# KiCad board WS2812B LED Ring7.kicad_pcb (continued)
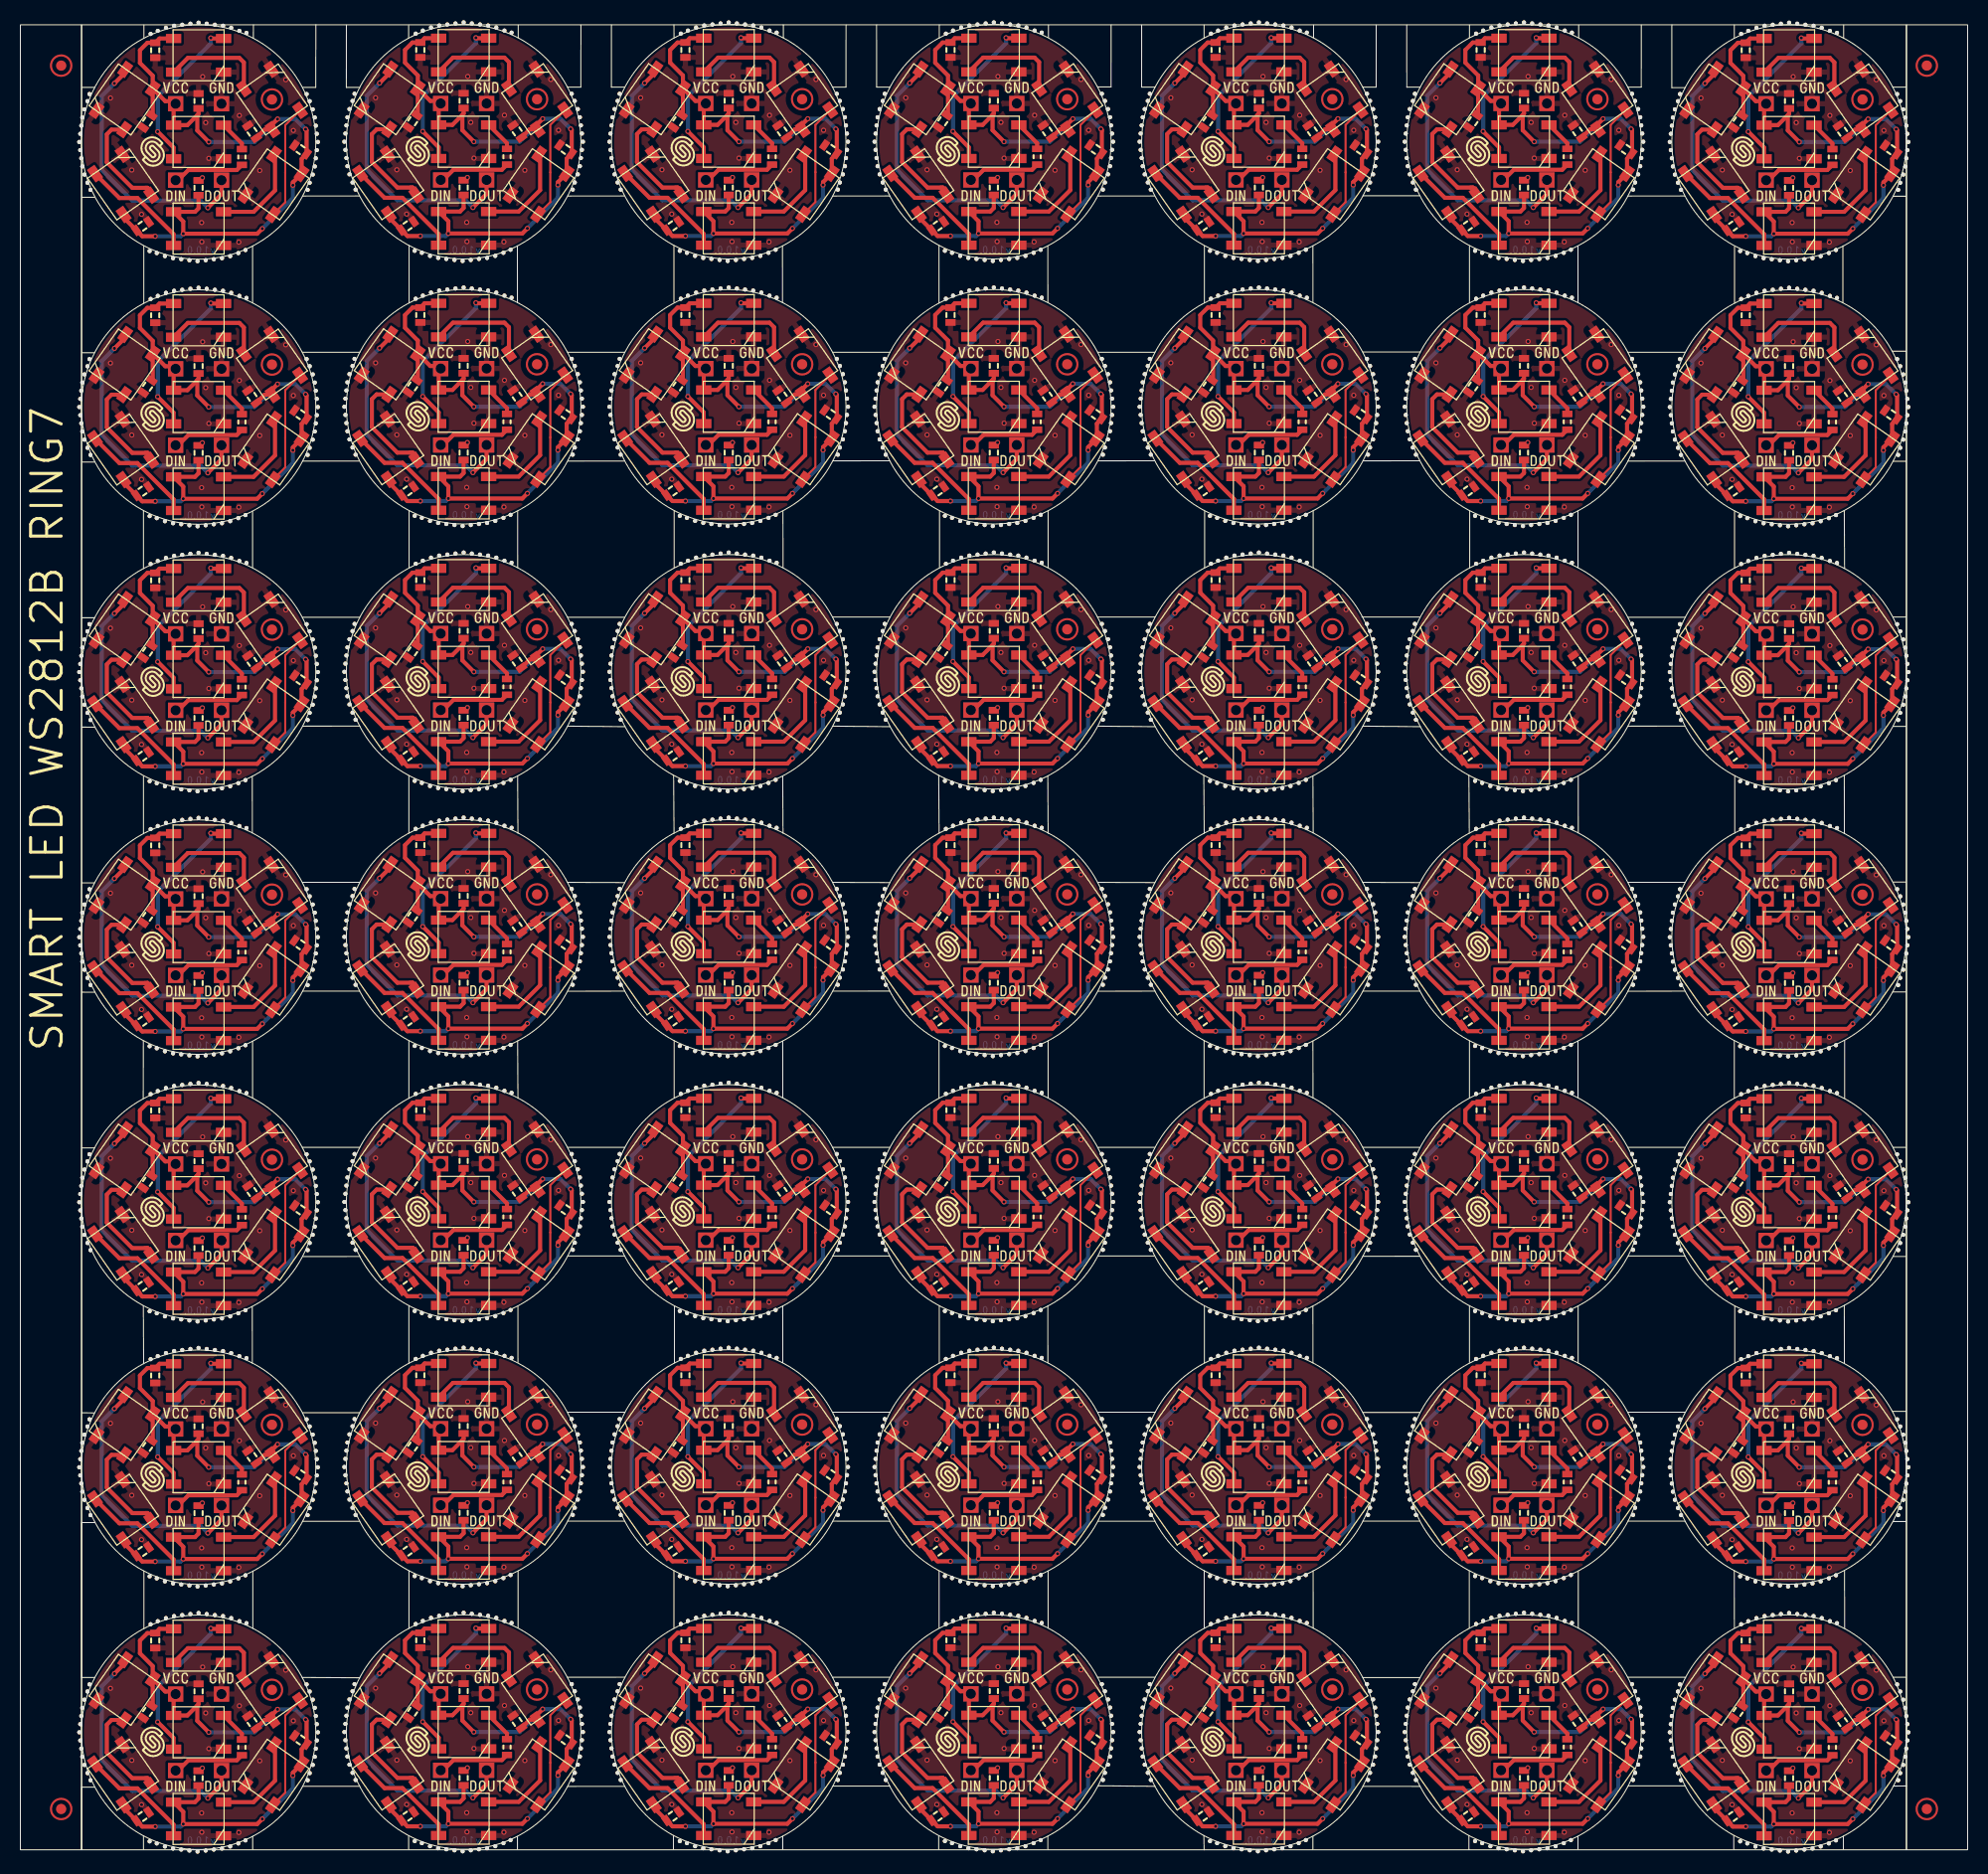
[diagram p0: board, top side]
## Placement (name value [footprint] x y rotation side) (continued)
PAD4#16  -  [PAD_2x1.5]  97.72 93.56 0 top
PAD4#17  -  [PAD_2x1.5]  97.72 145.56 0 top
PAD4#18  -  [PAD_2x1.5]  19.72 145.53 0 top
PAD4#19  -  [PAD_2x1.5]  19.72 67.53 0 top
PAD4#20  -  [PAD_2x1.5]  71.72 15.56 0 top
PAD4#21  -  [PAD_2x1.5]  123.72 171.56 0 top
PAD4#22  -  [PAD_2x1.5]  45.72 119.56 0 top
PAD4#23  -  [PAD_2x1.5]  175.72 171.53 0 top
PAD4#24  -  [PAD_2x1.5]  19.72 15.53 0 top
PAD4#25  -  [PAD_2x1.5]  123.72 41.56 0 top
PAD4#26  -  [PAD_2x1.5]  123.72 15.56 0 top
PAD4#27  -  [PAD_2x1.5]  123.72 119.56 0 top
PAD4#28  -  [PAD_2x1.5]  45.72 93.56 0 top
PAD4#29  -  [PAD_2x1.5]  45.72 15.56 0 top
PAD4#30  -  [PAD_2x1.5]  71.72 119.56 0 top
PAD4#31  -  [PAD_2x1.5]  175.72 67.53 0 top
PAD4#32  -  [PAD_2x1.5]  71.72 93.56 0 top
PAD4#33  -  [PAD_2x1.5]  175.72 145.53 0 top
PAD4#34  -  [PAD_2x1.5]  45.72 67.56 0 top
PAD4#35  -  [PAD_2x1.5]  175.72 93.53 0 top
PAD4#36  -  [PAD_2x1.5]  45.72 171.56 0 top
PAD4#37  -  [PAD_2x1.5]  175.72 119.53 0 top
PAD4#38  -  [PAD_2x1.5]  19.72 41.53 0 top
PAD4#39  -  [PAD_2x1.5]  71.72 41.56 0 top
PAD4#40  -  [PAD_2x1.5]  97.72 119.56 0 top
PAD4#41  -  [PAD_2x1.5]  45.72 145.56 0 top
PAD4#42  -  [PAD_2x1.5]  149.72 93.56 0 top
PAD4#43  -  [PAD_2x1.5]  71.72 67.56 0 top
PAD4#44  -  [PAD_2x1.5]  97.72 171.56 0 top
PAD4#45  -  [PAD_2x1.5]  149.72 41.56 0 top
PAD4#46  -  [PAD_2x1.5]  71.72 171.56 0 top
PAD4#47  -  [PAD_2x1.5]  175.72 41.53 0 top
PAD4#48  -  [PAD_2x1.5]  175.72 15.53 0 top
PAD4#49  -  [PAD_2x1.5]  19.72 93.53 0 top
PAD5  PAD_2x1.5  [PAD_2x1.5#2]  45.72 137.56 0 top
PAD5#2  PAD_2x1.5  [PAD_2x1.5#2]  175.72 33.53 0 top
PAD5#3  PAD_2x1.5  [PAD_2x1.5#2]  71.72 33.56 0 top
PAD5#4  PAD_2x1.5  [PAD_2x1.5#2]  19.72 163.53 0 top
PAD5#5  PAD_2x1.5  [PAD_2x1.5#2]  149.72 163.56 0 top
PAD5#6  PAD_2x1.5  [PAD_2x1.5#2]  123.72 59.56 0 top
PAD5#7  PAD_2x1.5  [PAD_2x1.5#2]  123.72 33.56 0 top
PAD5#8  PAD_2x1.5  [PAD_2x1.5#2]  97.72 85.56 0 top
PAD5#9  PAD_2x1.5  [PAD_2x1.5#2]  149.72 111.56 0 top
PAD5#10  PAD_2x1.5  [PAD_2x1.5#2]  97.72 59.56 0 top
PAD5#11  PAD_2x1.5  [PAD_2x1.5#2]  45.72 111.56 0 top
PAD5#12  PAD_2x1.5  [PAD_2x1.5#2]  149.72 59.56 0 top
PAD5#13  PAD_2x1.5  [PAD_2x1.5#2]  175.72 137.53 0 top
PAD5#14  PAD_2x1.5  [PAD_2x1.5#2]  149.72 33.56 0 top
PAD5#15  PAD_2x1.5  [PAD_2x1.5#2]  45.72 33.56 0 top
PAD5#16  PAD_2x1.5  [PAD_2x1.5#2]  97.72 7.56 0 top
PAD5#17  PAD_2x1.5  [PAD_2x1.5#2]  45.72 163.56 0 top
PAD5#18  PAD_2x1.5  [PAD_2x1.5#2]  123.72 163.56 0 top
PAD5#19  PAD_2x1.5  [PAD_2x1.5#2]  149.72 137.56 0 top
PAD5#20  PAD_2x1.5  [PAD_2x1.5#2]  175.72 111.53 0 top
PAD5#21  PAD_2x1.5  [PAD_2x1.5#2]  19.72 137.53 0 top
PAD5#22  PAD_2x1.5  [PAD_2x1.5#2]  19.72 85.53 0 top
PAD5#23  PAD_2x1.5  [PAD_2x1.5#2]  175.72 85.53 0 top
PAD5#24  PAD_2x1.5  [PAD_2x1.5#2]  19.72 59.53 0 top
PAD5#25  PAD_2x1.5  [PAD_2x1.5#2]  149.72 85.56 0 top
PAD5#26  PAD_2x1.5  [PAD_2x1.5#2]  97.72 33.56 0 top
PAD5#27  PAD_2x1.5  [PAD_2x1.5#2]  71.72 85.56 0 top
PAD5#28  PAD_2x1.5  [PAD_2x1.5#2]  123.72 111.56 0 top
PAD5#29  PAD_2x1.5  [PAD_2x1.5#2]  45.72 59.56 0 top
PAD5#30  PAD_2x1.5  [PAD_2x1.5#2]  45.72 7.56 0 top
PAD5#31  PAD_2x1.5  [PAD_2x1.5#2]  45.72 85.56 0 top
PAD5#32  PAD_2x1.5  [PAD_2x1.5#2]  71.72 7.56 0 top
PAD5#33  PAD_2x1.5  [PAD_2x1.5#2]  19.72 7.53 0 top
PAD5#34  PAD_2x1.5  [PAD_2x1.5#2]  175.72 7.53 0 top
PAD5#35  PAD_2x1.5  [PAD_2x1.5#2]  71.72 111.56 0 top
PAD5#36  PAD_2x1.5  [PAD_2x1.5#2]  19.72 33.53 0 top
PAD5#37  PAD_2x1.5  [PAD_2x1.5#2]  71.72 163.56 0 top
PAD5#38  PAD_2x1.5  [PAD_2x1.5#2]  97.72 137.56 0 top
PAD5#39  PAD_2x1.5  [PAD_2x1.5#2]  123.72 137.56 0 top
PAD5#40  PAD_2x1.5  [PAD_2x1.5#2]  97.72 111.56 0 top
PAD5#41  PAD_2x1.5  [PAD_2x1.5#2]  175.72 59.53 0 top
PAD5#42  PAD_2x1.5  [PAD_2x1.5#2]  175.72 163.53 0 top
PAD5#43  PAD_2x1.5  [PAD_2x1.5#2]  71.72 137.56 0 top
PAD5#44  PAD_2x1.5  [PAD_2x1.5#2]  123.72 85.56 0 top
PAD5#45  PAD_2x1.5  [PAD_2x1.5#2]  149.72 7.56 0 top
PAD5#46  PAD_2x1.5  [PAD_2x1.5#2]  71.72 59.56 0 top
PAD5#47  PAD_2x1.5  [PAD_2x1.5#2]  123.72 7.56 0 top
PAD5#48  PAD_2x1.5  [PAD_2x1.5#2]  19.72 111.53 0 top
PAD5#49  PAD_2x1.5  [PAD_2x1.5#2]  97.72 163.56 0 top
PAD6  -  [PAD_2x1.5]  171.22 67.53 180 bottom
PAD6#2  -  [PAD_2x1.5]  93.22 15.56 180 bottom
PAD6#3  -  [PAD_2x1.5]  171.22 15.53 180 bottom
PAD6#4  -  [PAD_2x1.5]  119.22 119.56 180 bottom
PAD6#5  -  [PAD_2x1.5]  119.22 41.56 180 bottom
PAD6#6  -  [PAD_2x1.5]  145.22 171.56 180 bottom
PAD6#7  -  [PAD_2x1.5]  67.22 119.56 180 bottom
PAD6#8  -  [PAD_2x1.5]  15.22 93.53 180 bottom
PAD6#9  -  [PAD_2x1.5]  93.22 67.56 180 bottom
PAD6#10  -  [PAD_2x1.5]  119.22 93.56 180 bottom
PAD6#11  -  [PAD_2x1.5]  145.22 15.56 180 bottom
PAD6#12  -  [PAD_2x1.5]  41.22 93.56 180 bottom
PAD6#13  -  [PAD_2x1.5]  145.22 119.56 180 bottom
PAD6#14  -  [PAD_2x1.5]  93.22 93.56 180 bottom
PAD6#15  -  [PAD_2x1.5]  67.22 145.56 180 bottom
PAD6#16  -  [PAD_2x1.5]  67.22 93.56 180 bottom
PAD6#17  -  [PAD_2x1.5]  41.22 41.56 180 bottom
PAD6#18  -  [PAD_2x1.5]  171.22 171.53 180 bottom
PAD6#19  -  [PAD_2x1.5]  15.22 41.53 180 bottom
PAD6#20  -  [PAD_2x1.5]  93.22 41.56 180 bottom
PAD6#21  -  [PAD_2x1.5]  145.22 145.56 180 bottom
PAD6#22  -  [PAD_2x1.5]  171.22 93.53 180 bottom
PAD6#23  -  [PAD_2x1.5]  15.22 67.53 180 bottom
PAD6#24  -  [PAD_2x1.5]  41.22 15.56 180 bottom
PAD6#25  -  [PAD_2x1.5]  145.22 41.56 180 bottom
PAD6#26  -  [PAD_2x1.5]  15.22 171.53 180 bottom
PAD6#27  -  [PAD_2x1.5]  41.22 119.56 180 bottom
PAD6#28  -  [PAD_2x1.5]  67.22 41.56 180 bottom
PAD6#29  -  [PAD_2x1.5]  93.22 171.56 180 bottom
PAD6#30  -  [PAD_2x1.5]  145.22 93.56 180 bottom
PAD6#31  -  [PAD_2x1.5]  119.22 15.56 180 bottom
PAD6#32  -  [PAD_2x1.5]  171.22 145.53 180 bottom
PAD6#33  -  [PAD_2x1.5]  41.22 145.56 180 bottom
PAD6#34  -  [PAD_2x1.5]  93.22 145.56 180 bottom
PAD6#35  -  [PAD_2x1.5]  171.22 41.53 180 bottom
PAD6#36  -  [PAD_2x1.5]  145.22 67.56 180 bottom
PAD6#37  -  [PAD_2x1.5]  41.22 67.56 180 bottom
PAD6#38  -  [PAD_2x1.5]  119.22 67.56 180 bottom
PAD6#39  -  [PAD_2x1.5]  119.22 145.56 180 bottom
PAD6#40  -  [PAD_2x1.5]  15.22 15.53 180 bottom
PAD6#41  -  [PAD_2x1.5]  171.22 119.53 180 bottom
PAD6#42  -  [PAD_2x1.5]  67.22 171.56 180 bottom
PAD6#43  -  [PAD_2x1.5]  119.22 171.56 180 bottom
PAD6#44  -  [PAD_2x1.5]  15.22 119.53 180 bottom
PAD6#45  -  [PAD_2x1.5]  67.22 67.56 180 bottom
PAD6#46  -  [PAD_2x1.5]  41.22 171.56 180 bottom
PAD6#47  -  [PAD_2x1.5]  67.22 15.56 180 bottom
PAD6#48  -  [PAD_2x1.5]  93.22 119.56 180 bottom
PAD6#49  -  [PAD_2x1.5]  15.22 145.53 180 bottom
PAD7  PAD_2x1.5  [PAD_2x1.5#3]  119.22 137.81 180 bottom
PAD7#2  PAD_2x1.5  [PAD_2x1.5#3]  41.22 85.81 180 bottom
PAD7#3  PAD_2x1.5  [PAD_2x1.5#3]  171.22 33.78 180 bottom
PAD7#4  PAD_2x1.5  [PAD_2x1.5#3]  67.22 111.81 180 bottom
PAD7#5  PAD_2x1.5  [PAD_2x1.5#3]  119.22 85.81 180 bottom
PAD7#6  PAD_2x1.5  [PAD_2x1.5#3]  145.22 85.81 180 bottom
PAD7#7  PAD_2x1.5  [PAD_2x1.5#3]  67.22 163.81 180 bottom
PAD7#8  PAD_2x1.5  [PAD_2x1.5#3]  119.22 33.81 180 bottom
PAD7#9  PAD_2x1.5  [PAD_2x1.5#3]  15.22 33.78 180 bottom
PAD7#10  PAD_2x1.5  [PAD_2x1.5#3]  41.22 59.81 180 bottom
PAD7#11  PAD_2x1.5  [PAD_2x1.5#3]  119.22 163.81 180 bottom
PAD7#12  PAD_2x1.5  [PAD_2x1.5#3]  93.22 85.81 180 bottom
PAD7#13  PAD_2x1.5  [PAD_2x1.5#3]  93.22 111.81 180 bottom
PAD7#14  PAD_2x1.5  [PAD_2x1.5#3]  15.22 7.78 180 bottom
PAD7#15  PAD_2x1.5  [PAD_2x1.5#3]  15.22 137.78 180 bottom
PAD7#16  PAD_2x1.5  [PAD_2x1.5#3]  41.22 7.81 180 bottom
PAD7#17  PAD_2x1.5  [PAD_2x1.5#3]  93.22 163.81 180 bottom
PAD7#18  PAD_2x1.5  [PAD_2x1.5#3]  67.22 137.81 180 bottom
PAD7#19  PAD_2x1.5  [PAD_2x1.5#3]  15.22 111.78 180 bottom
PAD7#20  PAD_2x1.5  [PAD_2x1.5#3]  119.22 59.81 180 bottom
PAD7#21  PAD_2x1.5  [PAD_2x1.5#3]  93.22 137.81 180 bottom
PAD7#22  PAD_2x1.5  [PAD_2x1.5#3]  15.22 59.78 180 bottom
PAD7#23  PAD_2x1.5  [PAD_2x1.5#3]  41.22 137.81 180 bottom
PAD7#24  PAD_2x1.5  [PAD_2x1.5#3]  171.22 163.78 180 bottom
PAD7#25  PAD_2x1.5  [PAD_2x1.5#3]  119.22 111.81 180 bottom
PAD7#26  PAD_2x1.5  [PAD_2x1.5#3]  171.22 59.78 180 bottom
PAD7#27  PAD_2x1.5  [PAD_2x1.5#3]  145.22 111.81 180 bottom
PAD7#28  PAD_2x1.5  [PAD_2x1.5#3]  171.22 85.78 180 bottom
PAD7#29  PAD_2x1.5  [PAD_2x1.5#3]  145.22 7.81 180 bottom
PAD7#30  PAD_2x1.5  [PAD_2x1.5#3]  145.22 137.81 180 bottom
PAD7#31  PAD_2x1.5  [PAD_2x1.5#3]  41.22 163.81 180 bottom
PAD7#32  PAD_2x1.5  [PAD_2x1.5#3]  171.22 137.78 180 bottom
PAD7#33  PAD_2x1.5  [PAD_2x1.5#3]  15.22 85.78 180 bottom
PAD7#34  PAD_2x1.5  [PAD_2x1.5#3]  67.22 59.81 180 bottom
PAD7#35  PAD_2x1.5  [PAD_2x1.5#3]  119.22 7.81 180 bottom
PAD7#36  PAD_2x1.5  [PAD_2x1.5#3]  67.22 33.81 180 bottom
PAD7#37  PAD_2x1.5  [PAD_2x1.5#3]  41.22 33.81 180 bottom
PAD7#38  PAD_2x1.5  [PAD_2x1.5#3]  93.22 7.81 180 bottom
PAD7#39  PAD_2x1.5  [PAD_2x1.5#3]  93.22 33.81 180 bottom
PAD7#40  PAD_2x1.5  [PAD_2x1.5#3]  171.22 111.78 180 bottom
PAD7#41  PAD_2x1.5  [PAD_2x1.5#3]  145.22 33.81 180 bottom
PAD7#42  PAD_2x1.5  [PAD_2x1.5#3]  41.22 111.81 180 bottom
PAD7#43  PAD_2x1.5  [PAD_2x1.5#3]  67.22 7.81 180 bottom
PAD7#44  PAD_2x1.5  [PAD_2x1.5#3]  93.22 59.81 180 bottom
PAD7#45  PAD_2x1.5  [PAD_2x1.5#3]  67.22 85.81 180 bottom
PAD7#46  PAD_2x1.5  [PAD_2x1.5#3]  145.22 59.81 180 bottom
PAD7#47  PAD_2x1.5  [PAD_2x1.5#3]  171.22 7.78 180 bottom
PAD7#48  PAD_2x1.5  [PAD_2x1.5#3]  145.22 163.81 180 bottom
PAD7#49  PAD_2x1.5  [PAD_2x1.5#3]  15.22 163.78 180 bottom
PAD8  PAD_2x1.5  [PAD_2x1.5#2]  97.72 85.56 180 bottom
PAD8#2  PAD_2x1.5  [PAD_2x1.5#2]  149.72 111.56 180 bottom
PAD8#3  PAD_2x1.5  [PAD_2x1.5#2]  175.72 137.53 180 bottom
PAD8#4  PAD_2x1.5  [PAD_2x1.5#2]  123.72 33.56 180 bottom
PAD8#5  PAD_2x1.5  [PAD_2x1.5#2]  123.72 137.56 180 bottom
PAD8#6  PAD_2x1.5  [PAD_2x1.5#2]  123.72 7.56 180 bottom
PAD8#7  PAD_2x1.5  [PAD_2x1.5#2]  19.72 111.53 180 bottom
PAD8#8  PAD_2x1.5  [PAD_2x1.5#2]  19.72 163.53 180 bottom
PAD8#9  PAD_2x1.5  [PAD_2x1.5#2]  71.72 111.56 180 bottom
PAD8#10  PAD_2x1.5  [PAD_2x1.5#2]  149.72 33.56 180 bottom
PAD8#11  PAD_2x1.5  [PAD_2x1.5#2]  149.72 163.56 180 bottom
PAD8#12  PAD_2x1.5  [PAD_2x1.5#2]  149.72 85.56 180 bottom
PAD8#13  PAD_2x1.5  [PAD_2x1.5#2]  19.72 7.53 180 bottom
PAD8#14  PAD_2x1.5  [PAD_2x1.5#2]  97.72 59.56 180 bottom
PAD8#15  PAD_2x1.5  [PAD_2x1.5#2]  97.72 163.56 180 bottom
PAD8#16  PAD_2x1.5  [PAD_2x1.5#2]  149.72 59.56 180 bottom
PAD8#17  PAD_2x1.5  [PAD_2x1.5#2]  123.72 111.56 180 bottom
PAD8#18  PAD_2x1.5  [PAD_2x1.5#2]  97.72 33.56 180 bottom
PAD8#19  PAD_2x1.5  [PAD_2x1.5#2]  175.72 111.53 180 bottom
PAD8#20  PAD_2x1.5  [PAD_2x1.5#2]  19.72 85.53 180 bottom
PAD8#21  PAD_2x1.5  [PAD_2x1.5#2]  71.72 137.56 180 bottom
PAD8#22  PAD_2x1.5  [PAD_2x1.5#2]  175.72 33.53 180 bottom
PAD8#23  PAD_2x1.5  [PAD_2x1.5#2]  45.72 7.56 180 bottom
PAD8#24  PAD_2x1.5  [PAD_2x1.5#2]  71.72 59.56 180 bottom
PAD8#25  PAD_2x1.5  [PAD_2x1.5#2]  45.72 111.56 180 bottom
PAD8#26  PAD_2x1.5  [PAD_2x1.5#2]  19.72 33.53 180 bottom
PAD8#27  PAD_2x1.5  [PAD_2x1.5#2]  97.72 7.56 180 bottom
PAD8#28  PAD_2x1.5  [PAD_2x1.5#2]  175.72 85.53 180 bottom
PAD8#29  PAD_2x1.5  [PAD_2x1.5#2]  123.72 85.56 180 bottom
PAD8#30  PAD_2x1.5  [PAD_2x1.5#2]  45.72 59.56 180 bottom
PAD8#31  PAD_2x1.5  [PAD_2x1.5#2]  45.72 33.56 180 bottom
PAD8#32  PAD_2x1.5  [PAD_2x1.5#2]  45.72 137.56 180 bottom
PAD8#33  PAD_2x1.5  [PAD_2x1.5#2]  71.72 7.56 180 bottom
PAD8#34  PAD_2x1.5  [PAD_2x1.5#2]  19.72 59.53 180 bottom
PAD8#35  PAD_2x1.5  [PAD_2x1.5#2]  97.72 111.56 180 bottom
PAD8#36  PAD_2x1.5  [PAD_2x1.5#2]  175.72 59.53 180 bottom
PAD8#37  PAD_2x1.5  [PAD_2x1.5#2]  149.72 137.56 180 bottom
PAD8#38  PAD_2x1.5  [PAD_2x1.5#2]  175.72 7.53 180 bottom
PAD8#39  PAD_2x1.5  [PAD_2x1.5#2]  71.72 163.56 180 bottom
PAD8#40  PAD_2x1.5  [PAD_2x1.5#2]  123.72 163.56 180 bottom
PAD8#41  PAD_2x1.5  [PAD_2x1.5#2]  149.72 7.56 180 bottom
PAD8#42  PAD_2x1.5  [PAD_2x1.5#2]  71.72 33.56 180 bottom
PAD8#43  PAD_2x1.5  [PAD_2x1.5#2]  45.72 163.56 180 bottom
PAD8#44  PAD_2x1.5  [PAD_2x1.5#2]  175.72 163.53 180 bottom
PAD8#45  PAD_2x1.5  [PAD_2x1.5#2]  97.72 137.56 180 bottom
PAD8#46  PAD_2x1.5  [PAD_2x1.5#2]  123.72 59.56 180 bottom
PAD8#47  PAD_2x1.5  [PAD_2x1.5#2]  19.72 137.53 180 bottom
PAD8#48  PAD_2x1.5  [PAD_2x1.5#2]  71.72 85.56 180 bottom
PAD8#49  PAD_2x1.5  [PAD_2x1.5#2]  45.72 85.56 180 bottom
R1  100  [0603R]  99.72 36.08 270 top
R1#2  100  [0603R]  125.72 62.08 270 top
R1#3  100  [0603R]  73.72 114.08 270 top
R1#4  100  [0603R]  47.72 36.08 270 top
R1#5  100  [0603R]  21.72 88.06 270 top
R1#6  100  [0603R]  73.72 88.08 270 top
R1#7  100  [0603R]  21.72 62.06 270 top
R1#8  100  [0603R]  125.72 140.08 270 top
R1#9  100  [0603R]  47.72 62.08 270 top
R1#10  100  [0603R]  21.72 36.06 270 top
R1#11  100  [0603R]  177.72 114.06 270 top
R1#12  100  [0603R]  47.72 166.08 270 top
R1#13  100  [0603R]  99.72 10.08 270 top
R1#14  100  [0603R]  125.72 36.08 270 top
R1#15  100  [0603R]  21.72 114.06 270 top
R1#16  100  [0603R]  125.72 114.08 270 top
R1#17  100  [0603R]  177.72 62.06 270 top
R1#18  100  [0603R]  47.72 10.08 270 top
R1#19  100  [0603R]  47.72 114.08 270 top
R1#20  100  [0603R]  125.72 166.08 270 top
R1#21  100  [0603R]  73.72 62.08 270 top
R1#22  100  [0603R]  125.72 88.08 270 top
R1#23  100  [0603R]  73.72 10.08 270 top
R1#24  100  [0603R]  151.72 10.08 270 top
R1#25  100  [0603R]  151.72 36.08 270 top
R1#26  100  [0603R]  73.72 140.08 270 top
R1#27  100  [0603R]  151.72 114.08 270 top
R1#28  100  [0603R]  125.72 10.08 270 top
R1#29  100  [0603R]  99.72 88.08 270 top
R1#30  100  [0603R]  99.72 62.08 270 top
R1#31  100  [0603R]  177.72 10.06 270 top
R1#32  100  [0603R]  73.72 166.08 270 top
R1#33  100  [0603R]  99.72 114.08 270 top
R1#34  100  [0603R]  177.72 36.06 270 top
R1#35  100  [0603R]  21.72 166.06 270 top
R1#36  100  [0603R]  47.72 88.08 270 top
R1#37  100  [0603R]  151.72 88.08 270 top
R1#38  100  [0603R]  151.72 166.08 270 top
R1#39  100  [0603R]  177.72 88.06 270 top
R1#40  100  [0603R]  99.72 140.08 270 top
R1#41  100  [0603R]  73.72 36.08 270 top
R1#42  100  [0603R]  151.72 140.08 270 top
R1#43  100  [0603R]  177.72 140.06 270 top
R1#44  100  [0603R]  21.72 10.06 270 top
R1#45  100  [0603R]  177.72 166.06 270 top
R1#46  100  [0603R]  151.72 62.08 270 top
R1#47  100  [0603R]  99.72 166.08 270 top
R1#48  100  [0603R]  47.72 140.08 270 top
R1#49  100  [0603R]  21.72 140.06 270 top
REF**  -  [HOLE_0.5mm]  170.28 48.73 90 top
Ref**  Val**  [Version1.0.0.]  173.57 0.94 180 bottom
REF**#2  -  [HOLE_0.5mm]  41.78 26.06 270 top
Ref**#2  Val**  [Version1.0.0.]  121.57 104.96 180 bottom
REF**#3  -  [HOLE_0.5mm]  90.78 126.16 90 top
Ref**#3  Val**  [Version1.0.0.]  69.57 104.96 180 bottom
REF**#4  -  [HOLE_0.5mm]  58.28 138.36 180 top
Ref**#4  Val**  [Version1.0.0.]  17.58 0.94 180 bottom
REF**#5  -  [HOLE_0.5mm]  18.28 101.13 90 top
Ref**#5  Val**  [Version1.0.0.]  43.58 0.96 180 bottom
REF**#6  -  [HOLE_0.5mm]  12.78 100.13 90 top
Ref**#6  Val**  [Version1.0.0.]  43.58 156.96 180 bottom
REF**#7  -  [HOLE_0.5mm]  132.18 84.86 0 top
Ref**#7  Val**  [Version1.0.0.]  173.57 130.94 180 bottom
REF**#8  -  [HOLE_0.5mm]  12.78 178.13 90 top
Ref**#8  Val**  [Version1.0.0.]  17.58 130.94 180 bottom
REF**#9  -  [HOLE_0.5mm]  55.17 141.56 0 top
Ref**#9  Val**  [Version1.0.0.]  69.57 52.96 180 bottom
REF**#10  -  [HOLE_0.5mm]  96.97 26.06 270 top
Ref**#10  Val**  [Version1.0.0.]  121.57 52.96 180 bottom
REF**#11  -  [HOLE_0.5mm]  6.78 172.23 180 top
Ref**#11  Val**  [Version1.0.0.]  95.57 52.96 180 bottom
REF**#12  -  [HOLE_0.5mm]  72.57 0.36 270 top
Ref**#12  Val**  [Version1.0.0.]  173.57 26.94 180 bottom
REF**#13  -  [HOLE_0.5mm]  57.88 12.36 180 top
Ref**#13  Val**  [Version1.0.0.]  147.57 104.96 180 bottom
REF**#14  -  [HOLE_0.5mm]  158.68 60.36 0 top
Ref**#14  Val**  [Version1.0.0.]  121.57 26.96 180 bottom
REF**#15  -  [HOLE_0.5mm]  152.07 130.96 270 top
Ref**#15  Val**  [Version1.0.0.]  69.57 78.96 180 bottom
REF**#16  -  [HOLE_0.5mm]  123.78 0.16 270 top
Ref**#16  Val**  [Version1.0.0.]  95.57 78.96 180 bottom
REF**#17  -  [HOLE_0.5mm]  69.38 -0.14 270 top
Ref**#17  Val**  [Version1.0.0.]  95.57 26.96 180 bottom
REF**#18  -  [HOLE_0.5mm]  32.28 34.36 180 top
Ref**#18  Val**  [Version1.0.0.]  147.57 156.96 180 bottom
REF**#19  Logo-Front-SolderedFULL-15mm  [Logo-Back-SolderedFULL-15mm]  17.91 11.79 0 top
Ref**#19  Val**  [Version1.0.0.]  173.57 156.94 180 bottom
REF**#20  -  [HOLE_0.5mm]  169.38 156.63 270 top
Ref**#20  Val**  [Version1.0.0.]  95.57 104.96 180 bottom
REF**#21  -  [HOLE_0.5mm]  100.18 126.26 90 top
Ref**#21  Val**  [Version1.0.0.]  17.58 104.94 180 bottom
REF**#22  -  [HOLE_0.5mm]  184.68 8.33 0 top
Ref**#22  Val**  [Version1.0.0.]  147.57 52.96 180 bottom
REF**#23  -  [HOLE_0.5mm]  80.07 146.26 0 top
Ref**#23  Val**  [Version1.0.0.]  173.57 52.94 180 bottom
REF**#24  -  [HOLE_0.5mm]  132.97 65.16 0 top
Ref**#24  Val**  [Version1.0.0.]  121.57 0.96 180 bottom
REF**#25  -  [HOLE_0.5mm]  58.28 40.76 180 top
Ref**#25  Val**  [Version1.0.0.]  121.57 156.96 180 bottom
REF**#26  -  [HOLE_0.5mm]  184.88 139.13 0 top
Ref**#26  Val**  [Version1.0.0.]  121.57 78.96 180 bottom
REF**#27  -  [HOLE_0.5mm]  158.38 7.56 0 top
Ref**#27  Val**  [Version1.0.0.]  43.58 104.96 180 bottom
REF**#28  -  [HOLE_0.5mm]  44.97 104.06 270 top
Ref**#28  Val**  [Version1.0.0.]  69.57 156.96 180 bottom
REF**#29  -  [HOLE_0.5mm]  14.17 78.33 270 top
Ref**#29  Val**  [Version1.0.0.]  147.57 26.96 180 bottom
REF**#30  -  [HOLE_0.5mm]  93.07 100.96 90 top
Ref**#30  Val**  [Version1.0.0.]  173.57 78.94 180 bottom
REF**#31  -  [HOLE_0.5mm]  6.58 111.53 180 top
Ref**#31  Val**  [Version1.0.0.]  43.58 78.96 180 bottom
REF**#32  -  [HOLE_0.5mm]  110.88 6.86 180 top
Ref**#32  Val**  [Version1.0.0.]  17.58 52.94 180 bottom
REF**#33  -  [HOLE_0.5mm]  28.38 145.53 0 top
Ref**#33  Val**  [Version1.0.0.]  69.57 0.96 180 bottom
REF**#34  -  [HOLE_0.5mm]  158.88 143.96 0 top
Ref**#34  Val**  [Version1.0.0.]  43.58 52.96 180 bottom
REF**#35  -  [HOLE_0.5mm]  175.88 48.94 90 top
Ref**#35  Val**  [Version1.0.0.]  95.57 0.96 180 bottom
REF**#36  -  [HOLE_0.5mm]  47.38 26.66 270 top
Ref**#36  Val**  [Version1.0.0.]  147.57 78.96 180 bottom
REF**#37  -  [HOLE_0.5mm]  133.07 88.76 0 top
Ref**#37  Val**  [Version1.0.0.]  17.58 156.94 180 bottom
REF**#38  -  [HOLE_0.5mm]  158.68 86.36 0 top
Ref**#38  Val**  [Version1.0.0.]  43.58 26.96 180 bottom
REF**#39  -  [HOLE_0.5mm]  55.08 12.36 0 top
Ref**#39  Val**  [Version1.0.0.]  147.57 130.96 180 bottom
REF**#40  -  [HOLE_0.5mm]  28.67 144.73 0 top
Ref**#40  Val**  [Version1.0.0.]  17.58 26.94 180 bottom
REF**#41  -  [HOLE_0.5mm]  116.68 0.86 270 top
Ref**#41  Val**  [Version1.0.0.]  43.58 130.96 180 bottom
REF**#42  -  [HOLE_0.5mm]  21.38 78.63 270 top
Ref**#42  Val**  [Version1.0.0.]  147.57 0.96 180 bottom
REF**#43  -  [HOLE_0.5mm]  158.88 169.96 0 top
Ref**#43  Val**  [Version1.0.0.]  69.57 26.96 180 bottom
REF**#44  -  [HOLE_0.5mm]  54.97 9.96 0 top
Ref**#44  Val**  [Version1.0.0.]  17.58 78.94 180 bottom
REF**#45  -  [HOLE_0.5mm]  54.17 84.86 0 top
Ref**#45  Val**  [Version1.0.0.]  69.57 130.96 180 bottom
REF**#46  -  [HOLE_0.5mm]  83.88 36.76 180 top
Ref**#46  Val**  [Version1.0.0.]  95.57 156.96 180 bottom
REF**#47  -  [HOLE_0.5mm]  142.68 104.86 270 top
Ref**#47  Val**  [Version1.0.0.]  95.57 130.96 180 bottom
REF**#48  -  [HOLE_0.5mm]  93.78 26.06 270 top
Ref**#48  Val**  [Version1.0.0.]  121.57 130.96 180 bottom
REF**#49  -  [HOLE_0.5mm]  119.78 52.06 270 top
Ref**#49  Val**  [Version1.0.0.]  173.57 104.94 180 bottom
REF**#50  -  [HOLE_0.5mm]  67.78 130.06 270 top
REF**#51  -  [HOLE_0.5mm]  58.28 164.36 180 top
REF**#52  -  [HOLE_0.5mm]  126.18 74.26 90 top
REF**#53  -  [HOLE_0.5mm]  58.58 171.56 180 top
REF**#54  -  [HOLE_0.5mm]  84.07 143.96 180 top
REF**#55  -  [HOLE_0.5mm]  58.88 32.86 180 top
REF**#56  -  [HOLE_0.5mm]  70.18 155.96 270 top
REF**#57  -  [HOLE_0.5mm]  14.97 130.13 270 top
REF**#58  -  [HOLE_0.5mm]  136.28 34.36 180 top
REF**#59  -  [HOLE_0.5mm]  132.97 165.96 0 top
REF**#60  -  [HOLE_0.5mm]  110.07 139.16 180 top
REF**#61  -  [HOLE_0.5mm]  118.18 26.36 270 top
REF**#62  Logo-Front-SolderedFULL-15mm  [Logo-Back-SolderedFULL-15mm]  147.91 63.82 0 top
REF**#63  -  [HOLE_0.5mm]  54.17 162.86 0 top
REF**#64  -  [HOLE_0.5mm]  84.78 42.26 180 top
REF**#65  -  [HOLE_0.5mm]  177.47 178.44 90 top
REF**#66  -  [HOLE_0.5mm]  109.97 91.16 180 top
REF**#67  -  [HOLE_0.5mm]  81.18 11.56 0 top
REF**#68  -  [HOLE_0.5mm]  116.78 74.16 90 top
REF**#69  -  [HOLE_0.5mm]  133.18 167.56 0 top
REF**#70  -  [HOLE_0.5mm]  120.57 155.96 270 top
REF**#71  -  [HOLE_0.5mm]  6.28 92.73 180 top
REF**#72  -  [HOLE_0.5mm]  125.38 26.66 270 top
REF**#73  -  [HOLE_0.5mm]  6.08 65.94 180 top
REF**#74  -  [HOLE_0.5mm]  162.28 66.73 180 top
REF**#75  -  [HOLE_0.5mm]  145.78 104.06 270 top
REF**#76  -  [HOLE_0.5mm]  171.07 48.94 90 top
REF**#77  -  [HOLE_0.5mm]  55.08 38.36 0 top
REF**#78  -  [HOLE_0.5mm]  66.18 78.36 270 top
REF**#79  -  [HOLE_0.5mm]  119.07 126.96 90 top
REF**#80  -  [HOLE_0.5mm]  31.97 61.96 180 top
REF**#81  -  [HOLE_0.5mm]  16.58 25.94 270 top
REF**#82  -  [HOLE_0.5mm]  143.38 104.66 270 top
REF**#83  -  [HOLE_0.5mm]  126.07 156.96 270 top
REF**#84  -  [HOLE_0.5mm]  161.88 90.33 180 top
REF**#85  -  [HOLE_0.5mm]  136.57 41.56 180 top
REF**#86  Logo-Front-SolderedFULL-15mm  [Logo-Back-SolderedFULL-15mm]  173.91 11.79 0 top
REF**#87  -  [HOLE_0.5mm]  132.18 110.86 0 top
REF**#88  -  [HOLE_0.5mm]  106.97 35.96 0 top
REF**#89  -  [HOLE_0.5mm]  93.78 0.06 270 top
REF**#90  -  [HOLE_0.5mm]  84.28 138.36 180 top
REF**#91  -  [HOLE_0.5mm]  28.38 41.53 0 top
REF**#92  -  [HOLE_0.5mm]  66.97 0.16 270 top
REF**#93  -  [HOLE_0.5mm]  14.28 100.73 90 top
REF**#94  -  [HOLE_0.5mm]  132.18 136.86 0 top
REF**#95  -  [HOLE_0.5mm]  80.88 61.16 0 top
REF**#96  -  [HOLE_0.5mm]  135.97 91.16 180 top
REF**#97  -  [HOLE_0.5mm]  135.97 35.96 180 top
REF**#98  -  [HOLE_0.5mm]  118.28 152.76 90 top
REF**#99  -  [HOLE_0.5mm]  162.07 113.13 180 top
REF**#100  -  [HOLE_0.5mm]  17.38 77.83 270 top
REF**#101  -  [HOLE_0.5mm]  45.78 78.16 270 top
REF**#102  -  [HOLE_0.5mm]  145.88 23.06 90 top
REF**#103  -  [HOLE_0.5mm]  147.38 25.86 270 top
REF**#104  -  [HOLE_0.5mm]  39.47 22.46 90 top
REF**#105  -  [HOLE_0.5mm]  126.07 104.96 270 top
REF**#106  -  [HOLE_0.5mm]  169.47 152.44 90 top
REF**#107  -  [HOLE_0.5mm]  48.08 78.96 270 top
REF**#108  -  [HOLE_0.5mm]  106.38 137.56 0 top
REF**#109  -  [HOLE_0.5mm]  72.68 48.76 90 top
REF**#110  -  [HOLE_0.5mm]  67.88 23.06 90 top
REF**#111  -  [HOLE_0.5mm]  184.88 113.13 0 top
REF**#112  -  [HOLE_0.5mm]  17.47 127.23 90 top
REF**#113  -  [HOLE_0.5mm]  158.88 13.96 0 top
REF**#114  -  [HOLE_0.5mm]  94.57 -0.04 270 top
REF**#115  -  [HOLE_0.5mm]  136.07 143.96 180 top
REF**#116  -  [HOLE_0.5mm]  48.17 178.26 90 top
REF**#117  -  [HOLE_0.5mm]  132.88 65.96 0 top
REF**#118  -  [HOLE_0.5mm]  58.58 7.56 180 top
REF**#119  -  [HOLE_0.5mm]  162.78 120.23 180 top
REF**#120  -  [HOLE_0.5mm]  162.57 93.53 180 top
REF**#121  -  [HOLE_0.5mm]  136.88 136.86 180 top
REF**#122  -  [HOLE_0.5mm]  175.07 179.03 90 top
REF**#123  -  [HOLE_0.5mm]  121.38 129.86 270 top
REF**#124  -  [HOLE_0.5mm]  106.97 13.16 0 top
REF**#125  -  [HOLE_0.5mm]  46.67 22.76 90 top
REF**#126  -  [HOLE_0.5mm]  54.67 66.76 0 top
REF**#127  -  [HOLE_0.5mm]  185.18 141.53 0 top
REF**#128  -  [HOLE_0.5mm]  32.08 117.96 180 top
REF**#129  -  [HOLE_0.5mm]  84.57 67.56 180 top
REF**#130  -  [HOLE_0.5mm]  148.28 23.16 90 top
REF**#131  -  [HOLE_0.5mm]  71.88 126.96 90 top
REF**#132  -  [HOLE_0.5mm]  109.88 88.76 180 top
REF**#133  -  [HOLE_0.5mm]  44.28 49.16 90 top
REF**#134  -  [HOLE_0.5mm]  6.08 9.13 180 top
REF**#135  -  [HOLE_0.5mm]  28.88 165.13 0 top
REF**#136  -  [HOLE_0.5mm]  57.97 9.96 180 top
REF**#137  -  [HOLE_0.5mm]  91.47 152.46 90 top
REF**#138  -  [HOLE_0.5mm]  58.28 66.76 180 top
REF**#139  -  [HOLE_0.5mm]  99.47 74.46 90 top
REF**#140  -  [HOLE_0.5mm]  6.58 145.53 180 top
REF**#141  -  [HOLE_0.5mm]  136.57 85.56 180 top
REF**#142  -  [HOLE_0.5mm]  162.28 118.73 180 top
REF**#143  Logo-Front-SolderedFULL-15mm  [Logo-Back-SolderedFULL-15mm]  95.91 89.82 0 top
REF**#144  -  [HOLE_0.5mm]  174.97 104.03 270 top
REF**#145  -  [HOLE_0.5mm]  177.38 52.63 270 top
REF**#146  -  [HOLE_0.5mm]  158.88 61.16 0 top
REF**#147  -  [HOLE_0.5mm]  184.68 34.33 0 top
REF**#148  -  [HOLE_0.5mm]  92.97 26.16 270 top
REF**#149  -  [HOLE_0.5mm]  42.67 179.16 90 top
REF**#150  -  [HOLE_0.5mm]  106.97 91.16 0 top
REF**#151  -  [HOLE_0.5mm]  28.88 35.13 0 top
REF**#152  -  [HOLE_0.5mm]  6.78 16.23 180 top
REF**#153  -  [HOLE_0.5mm]  158.38 59.56 0 top
REF**#154  -  [HOLE_0.5mm]  106.88 35.16 0 top
REF**#155  -  [HOLE_0.5mm]  84.07 139.16 180 top
REF**#156  -  [HOLE_0.5mm]  185.07 88.73 0 top
REF**#157  -  [HOLE_0.5mm]  184.88 13.94 0 top
REF**#158  -  [HOLE_0.5mm]  136.88 32.86 180 top
REF**#159  -  [HOLE_0.5mm]  84.88 110.86 180 top
REF**#160  -  [HOLE_0.5mm]  20.67 74.73 90 top
REF**#161  -  [HOLE_0.5mm]  38.78 152.16 90 top
REF**#162  -  [HOLE_0.5mm]  48.17 48.26 90 top
REF**#163  -  [HOLE_0.5mm]  72.57 26.36 270 top
